# Altium PCB R32-Micro.PcbDoc (part 2 of 3) (continued)
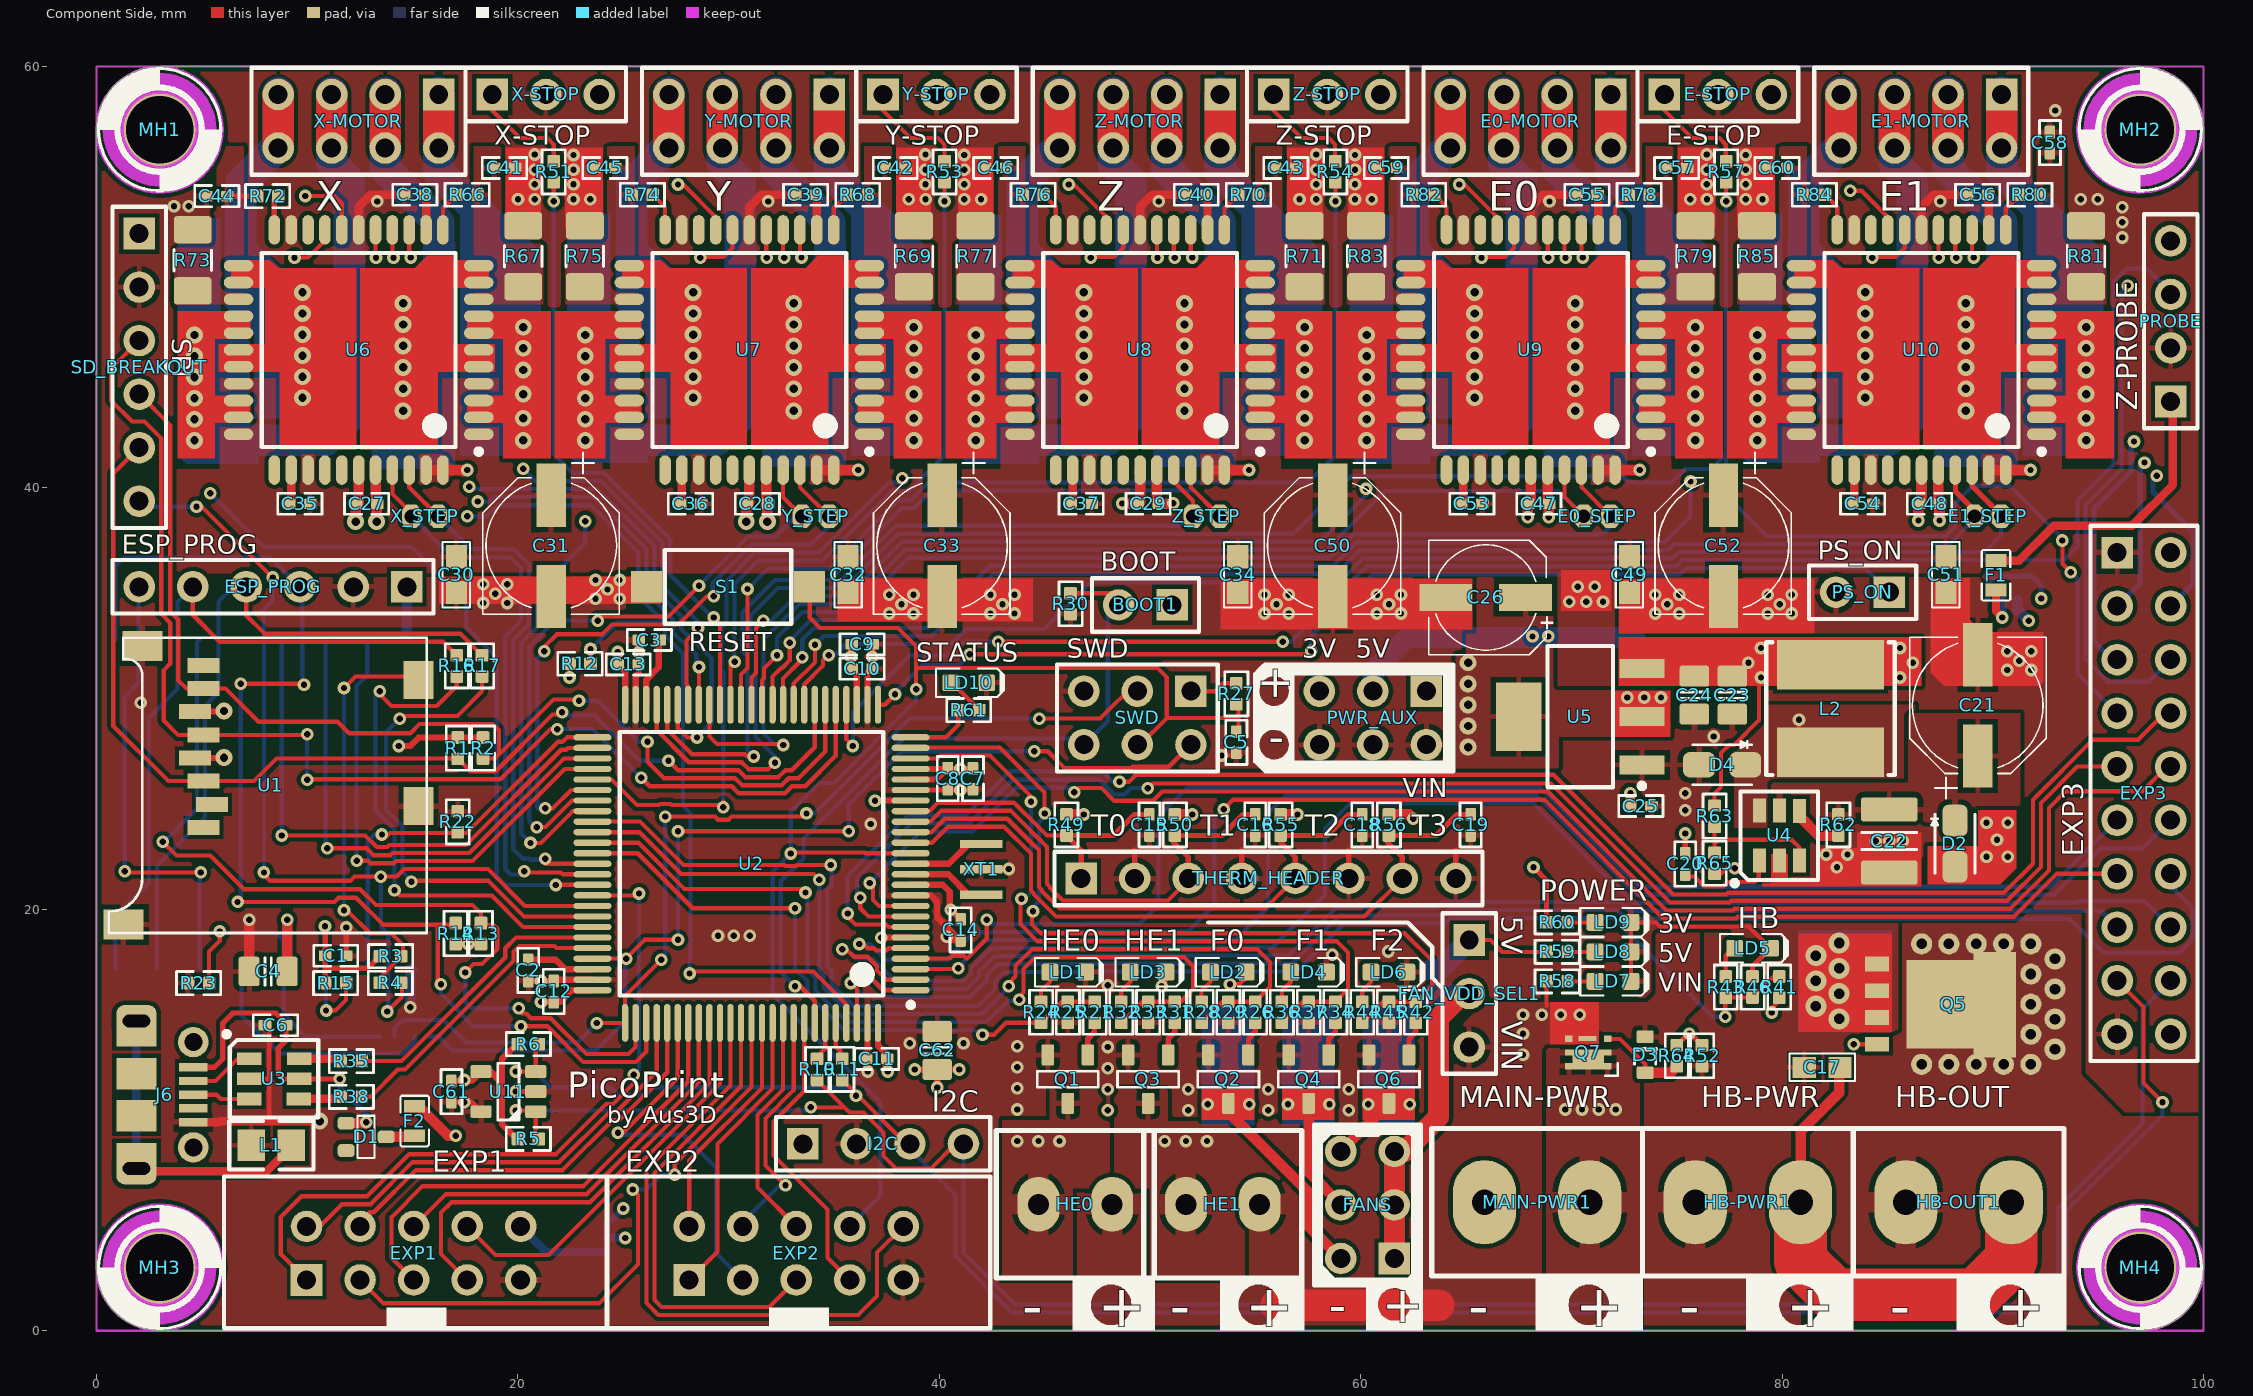
[diagram p0: Component Side view]
## Nets (pads, with @x,y where several pads share a name; then routed paths per layer and width w, separated by ;. In a path a pad name is that pad's centre, name@x,y a point inside that pad or via, vN(x,y) a via of type N, cw(c..) or ccw(c..) an arc to the next point about the centre after c; other vN are vias at no path point) (continued)
MPU_TFR_RDY: A1.19 J3.2 | length 11.9
  Solder Side w0.2: A1.19@7.05,17.355 A1.19@6.886,17.191 6.886,14.964 8.7,13.15 14.524,13.15 15.116,13.742 J3.2@15.116,13.95
NetA1_17: A1.17 R15.1 | length 4.5
  Component Side w0.2: v1(10.9,15.2) 11.35,15.2 11.85,15.7 R15.1@11.85,16.5 R15.1@11.85,16.685
  Solder Side w0.2: v1@10.899,15.201 A1.17@10.899,17.165 A1.17@10.899,17.599
NetC2_2: C2.2 U2.73 | length 3.2
  Component Side w0.3: C2.2@20.5,17.6 21.8,17.6 22.24,17.16 U2.73@23.54,17.16
NetC3_2: C3.2 U2.48 | length 3.4
  Component Side w0.3: U2.48@26.09,29.71 26.09,30.88 26.69,31.48 26.69,32.63 C3.2@26.84,32.78
NetC20_1: C20.1 D4.K L2.1 U4.6 | length 10.8
  Component Side w0.25: C20.1@75.4,22.5 C20.1@75.4,22.55 ; C20.1@75.4,22.65 v1(75.4,23.6) ; L2.1@80.8,26.9 v1(80.8,29)
  Power Plane w0.25: v1@75.4,23.5 80.8,28.9 v1(80.8,29)
NetC20_2: C20.2 U4.1 | length 4.5
  Component Side w0.2: C20.2@75.4,21.55 75.839,21.55 76.304,21.084 77.183,21.084 77.398,21.3 78.7,21.3 78.893,21.493 U4.1@78.893,22.098
  Component Side w0.25: U4.1@78.893,22.098 U4.1@78.925,22.066
NetC35_1: C35.1 U6.35 | length 1.5
  Component Side w0.4: C35.1@9.246,39.337 U6.35@9.246,40.845
NetC36_1: C36.1 U7.35 | length 1.5
  Component Side w0.4: C36.1@27.788,39.337 U7.35@27.788,40.845
NetC37_1: C37.1 U8.35 | length 1.5
  Component Side w0.4: C37.1@46.33,39.337 U8.35@46.33,40.845
NetC38_2: C38.2 U6.13 | length 1.6
  Component Side w0.4: U6.13@15.646,52.245 C38.2@15.646,53.878
NetC39_2: C39.2 U7.13 | length 1.6
  Component Side w0.4: U7.13@34.188,52.245 C39.2@34.188,53.878
NetC40_2: C40.2 U8.13 | length 1.6
  Component Side w0.4: U8.13@52.73,52.245 C40.2@52.73,53.878
NetC41_2: C41.2 R66.2 R67.2 U6.9
NetC42_2: C42.2 R68.2 R69.2 U7.9
NetC43_2: C43.2 R70.2 R71.2 U8.9
NetC44_2: C44.2 R72.2 R73.2 U6.25 | length 1.4
  Component Side w0.25: C44.2@6.215,53.848 R72.2@7.628,53.848
NetC45_2: C45.2 R74.2 R75.2 U7.25
NetC46_2: C46.2 R76.2 R77.2 U8.25
NetC53_1: C53.1 U9.35 | length 1.5
  Component Side w0.4: C53.1@64.872,39.337 U9.35@64.872,40.845
NetC54_1: C54.1 U10.35 | length 1.5
  Component Side w0.4: C54.1@83.414,39.337 U10.35@83.414,40.845
NetC55_2: C55.2 U9.13 | length 1.6
  Component Side w0.4: U9.13@71.272,52.245 C55.2@71.272,53.878
NetC56_2: C56.2 U10.13 | length 1.6
  Component Side w0.4: U10.13@89.814,52.245 C56.2@89.814,53.878
NetC57_2: C57.2 R78.2 R79.2 U9.9
NetC58_2: C58.2 R80.2 R81.2 U10.9
NetC59_2: C59.2 R82.2 R83.2 U9.25
NetC60_2: C60.2 R84.2 R85.2 U10.25
NetD1_3: D1.3 F2.2 | length 1.3
  Component Side w0.5: D1.3@13.75,9.2 F2.2@15,9.2
NetD3_A: D3.A Q7.3 R64.2 | length 4.2
  Component Side w0.2: Q7.3@71.725,13.85 72.3,13.85 73.5,12.65 D3.A@73.5,12.25
  Component Side w0.5: D3.A@73.6,12.25 74.7,12.25 R64.2@75,12.55
NetE-STOP_1: E-STOP.1 R57.2 | length 5.2
  Component Side w0.2: E-STOP.1@74.412,58.768 E-STOP.1@74.412,58.668 74.412,57.914 75.726,56.6 77.026,56.6 77.326,56.3 R57.2@77.326,55.5
NetF1_1: F1.1 J9.2 | length 2.2
  Component Side w0.4: F1.1@90.15,35.15 90.15,34.15 v1(90.45,33.85)
  Solder Side w0.4: v1(90.45,33.85) J9.2@90.45,34.65
NetFANS_2: FANS.2 Q2.3 | length 9.6
  Component Side w0.5: Q2.3@53.721,10.788 53.721,10.379 57.5,6.6 57.5,4.984 FANS.2@59.055,3.429
  other v1: 52.737,10.75 54.705,10.75
NetFANS_4: FANS.4 Q4.3 | length 5.4
  Component Side w0.5: Q4.3@57.531,10.788 57.531,7.531 FANS.4@59.055,6.007
  other v1: 56.547,10.75 58.515,10.75
NetFANS_6: FANS.6 Q6.3 | length 3.2
  Component Side w0.5: FANS.6@59.062,8.509 Q6.3@61.341,10.788
  other v1: 60.357,10.75 62.325,10.75
NetHB-OUT1_1: HB-OUT1.1 Q5.2
  other v3: 92.95,13.357 92.95,14.786 92.95,16.215 92.95,17.643
NetHE0_2: HE0.2 Q1.3
  other v1: 43.705,9 44.705,9 45.705,9
NetHE1_2: HE1.2 Q3.3
  other v1: 50.705,9 51.705,9 52.705,9
NetI2C_1: I2C.1 J1.2 | length 11.2
  Power Plane w0.4: v1(25.1,4.4) 27.4,6.7 31.05,6.7 33.221,8.871 I2C.1@33.528,8.871
  Solder Side w0.4: J1.2@24.2,4.418 25.082,4.418 v1(25.1,4.4)
NetJ6_SHIELD: J6.SHIELD L1.1 | length 15.8
  Component Side w0.2: J6.SHIELD@1.9,14.7 J6.SHIELD@2.7,14.7
  Component Side w0.4: J6.SHIELD@1.9,7.7 1.9,7.575 8.091,7.575 9.25,8.734 L1.1@9.25,8.8
  Solder Side w0.4: J6.SHIELD@1.9,7.7 J6.SHIELD@1.9,14.7
NetLD1_1: LD1.1 R24.1 | length 1.6
  Component Side w0.2: R24.1@44.831,15.613 44.831,16.131 45.251,16.551 LD1.1@45.251,17.018
NetLD2_1: LD2.1 R28.1 | length 1.6
  Component Side w0.2: R28.1@52.451,15.613 52.451,16.131 52.871,16.551 LD2.1@52.871,17.018
NetLD3_1: LD3.1 R32.1 | length 1.6
  Component Side w0.2: R32.1@48.641,15.613 48.641,16.131 49.061,16.551 LD3.1@49.061,17.018
NetLD4_1: LD4.1 R36.1 | length 1.6
  Component Side w0.2: R36.1@56.261,15.613 56.261,16.131 56.681,16.551 LD4.1@56.681,17.018
NetLD5_1: LD5.1 R43.1 | length 1.6
  Component Side w0.2: R43.1@77.325,16.81 77.325,17.795 LD5.1@77.745,18.215
NetLD6_1: LD6.1 R44.1 | length 1.6
  Component Side w0.2: R44.1@60.071,15.613 60.071,16.131 60.491,16.551 LD6.1@60.491,17.018
NetLD7_1: LD7.1 R58.1 | length 1.3
  Component Side w0.2: R58.1@69.821,16.58 LD7.1@71.121,16.58
NetLD8_1: LD8.1 R59.1 | length 1.3
  Component Side w0.2: R59.1@69.821,17.98 LD8.1@71.121,17.98
NetLD9_1: LD9.1 R60.1 | length 1.3
  Component Side w0.2: R60.1@69.821,19.38 LD9.1@71.121,19.38
NetLD10_1: LD10.1 R61.1 | length 1.9
  Component Side w0.2: LD10.1@40.55,30.75 40.6,30.75 R61.1@41.9,29.45
NetMAIN-PWR1_2: MAIN-PWR1.2 Q7.1
  other v1: 69.7,10.5 70.5,10.5 71.3,10.5 72.1,10.5
NetQ1_1: Q1.1 R21.2 | length 1.7
  Component Side w0.25: Q1.1@47.051,13.088 47.051,13.851 47.371,14.171 R21.2@47.371,14.613
NetQ2_1: Q2.1 R26.2 | length 1.7
  Component Side w0.25: Q2.1@54.671,13.088 54.671,13.851 54.991,14.171 R26.2@54.991,14.613
NetQ3_1: Q3.1 R31.2 | length 1.7
  Component Side w0.25: Q3.1@50.861,13.088 50.861,13.851 51.181,14.171 R31.2@51.181,14.613
NetQ4_1: Q4.1 R34.2 | length 1.7
  Component Side w0.25: Q4.1@58.481,13.088 58.481,13.851 58.801,14.171 R34.2@58.801,14.613
NetQ5_1: Q5.1 R41.2 | length 6.5
  Component Side w0.2: v1(79.5,15.1) 79.5,15.3 79.865,15.665 R41.2@79.865,15.81 ; v1(83.4,13.6) 83.405,13.595 Q5.1@84.5,13.595
  Power Plane w0.2: v1(79.5,15.1) 81,13.6 v1(83.4,13.6)
NetQ6_1: Q6.1 R42.2 | length 1.7
  Component Side w0.25: Q6.1@62.291,13.088 62.291,13.851 62.611,14.171 R42.2@62.611,14.613
NetR3_1: R3.1 R4.2 U1.CD1 | length 20.1
  Component Side w0.2: v1(11.75,19.95) 11.899,19.95 12.999,18.85 14,18.85 14.55,18.3 14.55,17.85 13.454,16.754 R4.2@13.454,16.51 ; v1(11.75,30.5) 12.3,31.05 15.116,31.05 U1.CD1@15.28,30.886
  Solder Side w0.2: v1(11.75,19.95) v1(11.75,30.5)
NetR10_1: R10.1 U2.95 | length 1.9
  Component Side w0.2: R10.1@34.1,12.9 34.59,13.39 U2.95@34.59,14.61
NetR11_1: R11.1 U2.96 | length 1.8
  Component Side w0.2: U2.96@35.09,14.61 35.09,13.5 35.3,13.29 R11.1@35.3,12.9
NetR35_1: R35.1 U3.6 | length 2
  Component Side w0.4: U3.6@9.625,12.9 R35.1@11.6,12.9
NetR38_1: R38.1 U3.4 | length 2
  Component Side w0.4: U3.4@9.6,11 R38.1@11.6,11
NetR51_2: R51.2 X-STOP.1 | length 5.2
  Component Side w0.2: X-STOP.1@18.786,58.768 18.786,57.914 20.1,56.6 21.4,56.6 21.7,56.3 R51.2@21.7,55.5
NetR53_2: R53.2 Y-STOP.1 | length 5.2
  Component Side w0.2: Y-STOP.1@37.328,58.768 37.328,57.914 38.642,56.6 39.942,56.6 40.242,56.3 R53.2@40.242,55.5
NetR54_2: R54.2 Z-STOP.1 | length 5.2
  Component Side w0.2: Z-STOP.1@55.87,58.768 55.87,57.914 57.184,56.6 58.484,56.6 58.784,56.3 R54.2@58.784,55.5
NetR62_2: R62.2 U4.4 | length 2.1
  Component Side w0.5: U4.4@80.825,24.416 81.746,23.495 R62.2@82.542,23.495
NetR63_1: R63.1 R65.2 U4.3 | length 6.3
  Component Side w0.2: R65.2@76.793,22.534 R65.2@76.793,22.684 76.793,22.993 ; R63.1@76.793,23.82 76.793,23.114 ; U4.3@80.825,22.066 U4.3@80.825,22.316 80.825,22.926 80.451,23.3 77,23.3 76.814,23.114 ; 76.793,23.114 76.814,23.114 ; 76.793,23.114 76.793,23.093 76.814,23.114
NetR66_1: R66.1 U6.12 | length 1.9
  Component Side w0.2: U6.12@16.446,52.245 16.446,53.268 R66.1@17.09,53.911
NetR68_1: R68.1 U7.12 | length 1.9
  Component Side w0.2: U7.12@34.988,52.245 34.988,53.268 R68.1@35.631,53.911
NetR70_1: R70.1 U8.12 | length 1.9
  Component Side w0.2: U8.12@53.53,52.245 53.53,53.268 R70.1@54.174,53.911
NetR72_1: R72.1 U6.22 | length 1.7
  Component Side w0.25: U6.22@8.446,52.245 8.446,53.666 R72.1@8.628,53.848
NetR74_1: R74.1 U7.22 | length 1.9
  Component Side w0.2: R74.1@26.408,53.911 26.988,53.331 U7.22@26.988,52.245
NetR76_1: R76.1 U8.22 | length 1.9
  Component Side w0.2: R76.1@44.95,53.911 45.53,53.331 U8.22@45.53,52.245
NetR78_1: R78.1 U9.12 | length 1.9
  Component Side w0.2: U9.12@72.072,52.245 72.072,53.268 R78.1@72.715,53.911
NetR80_1: R80.1 U10.12 | length 1.9
  Component Side w0.2: U10.12@90.614,52.245 90.614,53.268 R80.1@91.258,53.911
NetR82_1: R82.1 U9.22 | length 1.9
  Component Side w0.2: R82.1@63.492,53.911 64.072,53.331 U9.22@64.072,52.245
NetR84_1: R84.1 U10.22 | length 1.9
  Component Side w0.2: R84.1@82.034,53.911 82.614,53.331 U10.22@82.614,52.245
NetU2_12: U2.12 XT1.3 | length 3.4
  Component Side w0.3: U2.12@38.64,21.66 40.42,21.66 41.38,20.7 XT1.3@41.6,20.7
NetU2_13: U2.13 XT1.1 | length 3.3
  Component Side w0.3: U2.13@38.64,22.16 40.45,22.16 41.39,23.1 XT1.1@41.6,23.1
NRST: C5.2 EXP2.8 R27.1 S1.1 SWD.4 U2.14 | length 67.1
  Component Side w0.2: v1(32.95,22.65) 33,22.7 36.449,22.7 36.489,22.66 U2.14@38.64,22.66 ; S1.1@33.822,35.398 33.85,35.37 33.85,33.85 33.9,33.8 34.2,33.5 34.35,33.35 38.05,33.35 38.9,32.5 38.9,31.35 ; v1(38.9,30.45) 38.9,31.35 ; SWD.4@49.403,27.813 49.538,27.813 50.8,29.075 ; C5.2@54.2,28.425 54.2,29.075 ; R27.1@54.2,29.725 54.2,29.075 ; 38.9,31.35 39,31.45 50.35,31.45 50.8,31 50.8,29.075 ; 50.8,29.075 54.2,29.075
  Solder Side w0.2: EXP2.8@35.754,4.95 37.2,6.396 37.2,10.851 32.1,15.951 32.1,21.8 v1(32.95,22.65) 32.95,24.649 34.301,26 34.999,26 38.9,29.901 v1(38.9,30.45)
PS_ON: PS_ON.1 U2.26 | length 51.6
  Component Side w0.2: U2.26@37.09,29.71 37.41,29.71 v1(37.9,30.2) ; v1(41.45,32.1) 42.8,32.1 57.5,32.1 v1(57.658,32.258)
  Solder Side w0.2: v1(37.9,30.2) 37.9,30.299 39.201,31.6 40.95,31.6 v1(41.45,32.1) ; v1(57.658,32.258) 57.658,32.983 60.575,35.9 75.15,35.9 75.45,36.2 83.942,36.2 PS_ON.1@85.09,35.052
SCL_1: EXP3.18 I2C.4 R5.1 R10.2 U11.1 | length 103.3
  Component Side w0.2: v1(19.9,10.45) 20.6,10.45 20.75,10.3 U11.1@20.85,10.4 20.85,9.2 R5.1@21,9.05 ; v1(33.9,10.6) 35.5,10.6 ; R10.2@34.2,11.9 35.5,10.6 ; I2C.4@41.221,8.871 I2C.4@41.148,8.871 40.771,8.871 39.6,7.7 37.95,7.7 37.35,8.3 37.35,9.413 36.413,10.35 35.75,10.35 35.5,10.6
  Solder Side w0.2: v1(19.9,10.45) 19.7,10.45 33.75,10.45 v1(33.9,10.6) ; I2C.4@41.148,8.871 41.148,3.702 43.6,1.25 91.6,1.25 93.1,2.75 93.1,5.832 97.1,9.832 97.1,15.27 EXP3.18@98.44,16.61
SD_CSEL: EXP2.4 U2.92 | length 11.6
  Component Side w0.2: v1(32.7,6.9) 31.75,7.85 31.75,10.076 33.09,11.416 U2.92@33.09,14.61
  Solder Side w0.2: EXP2.4@30.674,4.95 30.674,5.164 32.41,6.9 v1(32.7,6.9)
SD_DET: EXP2.7 U2.93 | length 14.3
  Component Side w0.2: U2.93@33.59,14.61 33.59,11.378 32.13,9.918 32.13,8.32 34.7,5.75 34.7,3.464 EXP2.7@35.754,2.41
SDA_1: EXP3.17 I2C.3 R6.1 R11.2 U11.3 | length 101.3
  Component Side w0.2: v1(19.9,12.3) U11.3@20.85,12.3 20.85,13.5 R6.1@21,13.65 ; R11.2@35.4,11.9 38.429,8.871 I2C.3@38.608,8.871 ; EXP3.17@95.9,16.61 97.15,15.36 97.15,11.75 v1(98.05,10.85)
  Solder Side w0.2: v1(19.9,12.3) 20.8,12.3 21.55,11.55 24.4,11.55 24.75,11.2 26.1,11.2 26.45,11.55 35.65,11.55 v1(36.05,11.15) ; I2C.3@38.608,8.871 38.608,8.61 40.768,6.45 40.768,3.545 43.443,0.87 91.757,0.87 93.48,2.593 93.48,5.675 98.05,10.245 v1(98.05,10.85)
SPI1_MISO: R2.1 SD_BREAKOUT.4 U1.7 U2.31 | length 54.6
  Component Side w0.2: SD_BREAKOUT.4@2.032,44.45 3.5,42.982 3.5,34.137 3.88,33.757 3.88,30.87 4.27,30.48 U1.7@5.08,30.48 6.12,30.48 7.7,28.9 11.45,28.9 12,28.35 14.892,28.35 15.342,28.8 18.8,28.8 19.1,28.5 19.1,27.35 ; R2.1@18.35,27.15 18.9,27.15 19.1,27.35 ; v1@22.9,29.95 21.7,29.95 19.1,27.35 ; v1(26.15,27.95) 26.15,27 26.93,26.22 30.307,26.22 30.637,25.89 32.526,25.89 32.856,26.22 33.32,26.22 34.59,27.49 U2.31@34.59,29.71
  Solder Side w0.2: v1(22.9,29.9) 23.787,29.9 25.737,27.95 v1(26.15,27.95)
SPI1_MOSI: R1.1 SD_BREAKOUT.5 U1.3 U2.32 | length 53.8
  Component Side w0.2: SD_BREAKOUT.5@2.032,41.91 0.8,40.678 0.8,28.7 3.414,26.086 U1.3@5.08,26.086 7.486,26.086 8.55,27.15 R1.1@17.15,27.15 17.75,26.55 18.95,26.55 21.65,29.25 v1@22.1,29.25 ; v1(27.15,27.05) 27.6,26.6 30.464,26.6 30.794,26.27 32.369,26.27 32.699,26.6 33,26.6 34.09,27.69 U2.32@34.09,29.71
  Solder Side w0.2: v1(22.1,29.35) 22.25,29.2 23.65,29.2 25.8,27.05 v1(27.15,27.05)
SPI1_SCK: SD_BREAKOUT.3 U1.5 U2.30 | length 60
  Component Side w0.2: SD_BREAKOUT.3@2.032,46.99 0.7,45.658 0.7,44.15 1.7,43.15 2.277,43.15 3.082,42.345 3.082,34.018 3.5,33.6 3.5,31.65 3.2,31.35 3.2,28.95 3.88,28.27 U1.5@5.08,28.27 9.97,28.27 v1(10,28.3) ; v1(10,26.15) 10.02,26.17 19.17,26.17 21.55,28.55 v1(21.875,28.55) ; v1(25.85,26.25) 26.26,25.84 30.149,25.84 30.479,25.51 32.683,25.51 33.013,25.84 33.64,25.84 35.09,27.29 U2.30@35.09,29.71
  Solder Side w0.2: v1(10,26.15) v1(10,28.3) ; v1(21.875,28.55) 23.55,28.55 v1(25.85,26.25)
SPI2_MISO: A1.6 U2.53 | length 24.5
  Component Side w0.2: v1(10.95,22.9) 12.814,22.9 13.144,22.57 13.956,22.57 14.056,22.67 17.697,22.67 22.187,27.16 U2.53@23.54,27.16
  Solder Side w0.2: A1.6@10.874,32.786 10.874,22.976 v1(10.95,22.9)
SPI2_MOSI: A1.7 U2.54 | length 23.8
  Component Side w0.2: v1(12.35,22.3) 12.877,22.3 12.987,22.19 14.113,22.19 14.213,22.29 17.854,22.29 22.224,26.66 U2.54@23.54,26.66
  Solder Side w0.2: v1(12.35,22.3) 12.35,30.6 12.855,31.105 A1.7@12.855,32.786
SPI2_SCK: A1.5 U2.52 | length 26.2
  Component Side w0.2: v1(8.8,23.5) 12.751,23.5 13.301,22.95 13.798,22.95 13.899,23.05 17.539,23.05 22.059,27.57 22.281,27.57 22.371,27.66 U2.52@23.54,27.66
  Solder Side w0.2: v1(8.8,23.5) 8.8,32.679 8.9,32.779 A1.5@8.893,32.786
SPI3_MISO: EXP2.1 U2.90 | length 13.8
  Component Side w0.2: EXP2.1@28.134,2.41 29.47,3.746 29.47,8.87 32.09,11.49 U2.90@32.09,14.61
SPI3_MOSI: EXP2.6 U2.91 | length 10.9
  Component Side w0.2: U2.91@32.59,14.61 32.59,11.453 31.37,10.233 31.37,6.8 33.214,4.956 EXP2.6@33.214,4.95
SPI3_SCK: EXP2.2 U2.89 | length 11.1
  Component Side w0.2: EXP2.2@28.134,4.95 28.134,8.072 31.59,11.528 U2.89@31.59,14.61
SPI4_MISO: EXP3.4 U2.44 U6.14 U7.14 U8.14 U9.14 U10.14 | length 142.1
  Component Side w0.2: U6.14@14.846,52.245 14.846,51.003 v1(14.918,50.931) ; U2.44@28.09,29.71 28.04,29.76 28.04,30.646 28,30.686 28,32.749 28.601,33.35 v1(28.55,33.35) ; U7.14@33.388,52.245 33.388,51.003 v1(33.46,50.931) ; U8.14@51.93,52.245 51.93,51.003 v1(52.002,50.931) ; U9.14@70.472,52.245 70.472,51.003 v1(70.544,50.931) ; U10.14@89.014,52.245 89.014,51.003 v1(89.086,50.931)
  Power Plane w0.25: v1(20.25,40.9) 19.565,41.585 19.173,41.585 18.853,41.905 17.295,41.905 16.5,42.7 16.5,49.349 v1(14.918,50.931) 14.918,51.368 15.102,51.552 29.662,51.552 31.364,49.85 32.6,49.85 33.46,50.71 v1(33.46,50.931) 33.46,51.368 33.644,51.552 48.204,51.552 49.906,49.85 51.142,49.85 v1@52.002,50.71 ; v1(52.002,50.931) 52.002,51.368 52.186,51.552 66.746,51.552 68.448,49.85 69.684,49.85 v1@70.544,50.71 ; v1(70.544,50.931) 70.544,51.368 70.728,51.552 85.288,51.552 86.99,49.85 88.226,49.85 v1@89.086,50.71 ; v1(89.086,50.931) 89.655,51.5 91.977,51.5 95.651,47.826 95.651,41.749 96.825,40.575 v1(97.775,40.575)
  Solder Side w0.2: v1(20.25,40.9) 20.83,40.32 23.942,40.32 26.852,37.41 26.852,35.348 28.55,33.65 v1(28.55,33.35)
  Solder Side w0.25: v1(97.775,40.575) 97.6,40.4 97.6,39.8 99.515,37.885 99.515,35.465 EXP3.4@98.44,34.39
SPI4_MOSI: EXP3.5 U2.45 U6.15 U7.15 U8.15 U9.15 U10.15 | length 151.2
  Component Side w0.2: U6.15@14.046,52.245 14.046,50.939 14.058,50.927 v1(14.097,50.927) ; U2.45@27.59,29.71 27.59,28.61 28.05,28.15 v1(28.5,28.15) ; U7.15@32.588,52.245 32.588,50.939 32.6,50.927 v1(32.639,50.927) ; U8.15@51.13,52.245 51.13,50.939 51.142,50.927 v1(51.181,50.927) ; U9.15@69.672,52.245 69.672,50.939 69.684,50.927 v1(69.723,50.927) ; U10.15@88.214,52.245 88.214,50.939 88.226,50.927 v1(88.265,50.927)
  Power Plane w0.25: v1@17.65,40.1 v1@17.7,40.1 ; v1(17.7,40.05) 17.381,40.05 16.03,41.401 16.03,48.936 14.097,50.869 v1(14.097,50.927) 14.097,51.597 14.502,52.002 29.848,52.002 31.55,50.3 32.25,50.3 32.639,50.689 v1(32.639,50.927) 32.639,51.597 33.044,52.002 48.39,52.002 50.092,50.3 50.792,50.3 v1@51.181,50.689 ; v1(51.181,50.927) 51.181,51.597 51.586,52.002 66.932,52.002 68.634,50.3 69.334,50.3 v1@69.723,50.689 ; v1(69.723,50.927) 69.723,51.597 70.128,52.002 85.474,52.002 87.176,50.3 87.876,50.3 v1@88.265,50.689 ; v1(88.265,50.927) 88.265,50.994 89.273,52.002 92.083,52.002 96.09,47.995 96.09,42.61 96.5,42.2 v1(96.7,42.2)
  Solder Side w0.2: v1@17.65,40.1 v1@17.7,40.1 ; v1(17.7,40.05) 17.8,39.95 20.663,39.95 20.673,39.94 23.785,39.94 26.472,37.253 26.472,35.19 27.75,33.913 27.75,33.301 28.301,32.75 28.35,32.75 29.2,31.9 29.2,28.85 v1(28.5,28.15)
  Solder Side w0.25: EXP3.5@95.9,31.85 95.65,31.85 94.8,32.7 94.8,39.027 96.57,40.797 96.57,42.07 v1(96.7,42.2)
SPI4_SCK: EXP3.3 U2.43 U6.16 U7.16 U8.16 U9.16 U10.16 | length 145.6
  Component Side w0.2: U6.16@13.246,52.245 13.246,50.953 v1(13.271,50.927) ; U2.43@28.59,29.71 28.6,29.72 v1(28.6,31.5) ; U7.16@31.788,52.245 31.788,50.953 v1(31.814,50.927) ; U8.16@50.33,52.245 50.33,50.953 v1(50.356,50.927) ; U9.16@68.872,52.245 68.872,50.953 v1(68.898,50.927) ; U10.16@87.414,52.245 87.414,50.953 v1(87.44,50.927)
  Power Plane w0.25: v1@18.05,39.35 17.473,39.35 15.6,41.223 15.6,48.729 15.279,49.05 15.279,49.052 14.855,49.477 14.852,49.477 14.429,49.9 14.24,49.9 13.271,50.869 v1(13.271,50.927) 13.271,51.621 14.102,52.452 68.898,52.452 ; v1(31.814,50.927) 31.814,52.45 ; v1(50.356,50.927) 50.356,52.45 ; v1(68.898,50.927) 68.898,52.452 ; v1(87.44,50.927) 87.44,51.536 86.524,52.452 ; v1(97.2,41.2) 97.325,41.325 97.325,42.475 96.52,43.28 96.52,48.18 92.248,52.452 86.524,52.452 ; 68.898,52.452 86.524,52.452
  Solder Side w0.2: v1@18,39.25 v1@18,39.35 ; v1@18.05,39.35 v1(18.1,39.35) 18.63,39.35 18.84,39.56 23.627,39.56 26.092,37.095 26.092,35.033 27.37,33.755 27.37,33.144 28.144,32.37 28.193,32.37 28.47,32.093 28.47,31.63 v1(28.6,31.5)
  Solder Side w0.25: EXP3.3@95.9,34.39 97,35.49 97,41 v1(97.2,41.2)
STAT_LED: R61.2 U2.25 | length 3.2
  Component Side w0.2: U2.25@38.64,28.16 40.31,28.16 40.9,28.75 R61.2@40.9,29.45
STEP_EN: EXP3.6 R12.1 U2.97 U6.19 U7.19 U8.19 U9.19 U10.19 | length 193.8
  Component Side w0.2: v1(9.398,50.927) 10.033,50.927 10.846,51.74 U6.19@10.846,52.245 ; R12.1@23.45,31.65 v1(23.45,32.35) ; v1(27.6,54.4) 27.85,54.4 29.388,52.862 U7.19@29.388,51.74 ; v1(28.15,16.95) 28.25,17.05 34.036,17.05 35.6,15.486 35.6,14.62 U2.97@35.59,14.61 ; v1(46.142,54.4) 46.392,54.4 47.93,52.862 U8.19@47.93,52.245 ; v1(64.684,54.4) 64.934,54.4 U9.19@66.472,52.862 ; U9.19@66.472,51.74 U9.19@66.472,52.245 ; v1(83.226,54.102) 83.774,54.102 U10.19@85.014,52.862 ; U10.19@85.014,51.74 U10.19@85.014,52.245
  Power Plane w0.2: v1(9.398,50.927) 11.45,48.875 11.45,44.8 v1(17.6,38.65)
  Power Plane w0.25: v1(9.398,50.927) 11.353,52.882 27,52.882 ; v1(27.6,54.4) 27.6,53.482 27,52.882 ; v1(46.142,54.4) 46.142,53.482 45.542,52.882 ; v1(64.684,54.4) 64.684,53.482 64.084,52.882 ; v1(83.226,54.102) 83.226,53.508 82.6,52.882 ; v1(96.4,49.6) 95.708,49.6 92.426,52.882 82.6,52.882 ; 27,52.882 45.542,52.882 ; 45.542,52.882 64.084,52.882 ; 64.084,52.882 82.6,52.882
  Solder Side w0.2: v1(17.6,38.65) 18.52,38.65 19.05,39.18 23.47,39.18 25.712,36.938 25.712,34.876 26.99,33.598 ; v1(23.45,32.35) 24.698,33.598 26.99,33.598 ; v1(28.15,16.95) 28.15,17.65 28.2,17.7 28.2,24.55 27.841,24.909 27.841,32.135 26.99,32.987 26.99,33.598 ; v1(96.4,49.6) 96.1,49.3 96.1,40.9 94.395,39.195 94.395,31.87 95.465,30.8 97.39,30.8 EXP3.6@98.44,31.85
SWCLK: J4.1 SWD.3 U2.76 | length 49.2
  Component Side w0.2: v1(23.75,14.6) 23.76,14.61 U2.76@25.09,14.61 25.09,15.89 v1(26.8,17.6) ; v1(27,24.4) 29.351,24.4 29.501,24.25 29.999,24.25 30.149,24.4 33.55,24.4 v1(33.7,24.55) ; v1(44.75,29.05) 47.636,29.05 49.403,30.817 SWD.3@49.403,30.353
  Solder Side w0.2: J4.1@14.15,13.95 14.15,14.35 14.55,14.75 16.48,14.75 17.55,13.68 22.83,13.68 v1(23.75,14.6) ; v1(26.8,17.6) 27,17.8 v1(27,24.4) ; v1(33.7,24.55) 34.086,24.55 38.586,29.05 v1(44.75,29.05) ; SWD.3@49.403,29.703 SWD.3@49.403,30.353
SWDIO: J3.1 SWD.2 U2.72 | length 50.3
  Component Side w0.2: U2.72@23.54,17.66 v1@25.15,17.66 ; v1(25.15,17.65) v1@25.15,17.66 ; v1(27.6,18.55) 26.017,18.55 25.15,17.683 v1@25.15,17.66 ; v1(27.6,23.7) v1(35.7,23.7) ; v1(44.5,27.5) 45.15,27.5 45.95,26.7 49.113,26.7 49.176,26.763 50.893,26.763 SWD.2@51.943,27.813
  Solder Side w0.2: J3.1@15.816,13.95 16.25,13.95 16.9,13.3 23.7,13.3 25.1,14.7 v1@25.1,17.85 ; v1(27.6,18.55) v1(27.6,23.7) ; v1(35.7,23.7) 35.7,24.974 38.226,27.5 v1(44.5,27.5)
THERM0: C15.2 R49.1 THERM_HEADER.1 U2.18 | length 14.9
  Component Side w0.2: U2.18@38.64,24.66 39.548,24.66 39.948,25.06 43.552,25.06 43.75,24.862 43.75,24.851 44.101,24.5 44.112,24.5 45.109,23.503 R49.1@46.038,23.503
  Component Side w0.25: THERM_HEADER.1@46.736,21.463 46.736,22.804 R49.1@46.038,23.503 48.268,23.503 49.268,24.503 C15.2@49.975,24.503
THERM1: C16.2 R50.1 THERM_HEADER.3 U2.17 | length 23.6
  Component Side w0.2: U2.17@38.64,24.16 39.585,24.16 40.105,24.68 43.384,24.68 43.944,24.12 43.955,24.12 44.02,24.055 44.02,24.044 44.644,23.42 44.655,23.42 45.11,22.965 45.11,21.213 45.26,21.063 45.26,21.015 45.862,20.413 50.853,20.413 51.816,21.376 THERM_HEADER.3@51.816,21.463
  Component Side w0.25: R50.1@51.118,23.503 51.118,23.177 51.816,22.479 THERM_HEADER.3@51.816,21.463 ; R50.1@51.181,23.503 53.411,23.503 54.411,24.503 C16.2@54.991,24.503
  Solder Side w0.2: THERM_HEADER.3@51.45,21.463 THERM_HEADER.3@51.816,21.463
THERM2: C18.2 R55.1 THERM_HEADER.5 U2.16 | length 28.6
  Component Side w0.2: U2.16@38.64,23.66 39.623,23.66 40.263,24.3 43.227,24.3 44.487,23.04 44.497,23.04 44.73,22.807 44.73,21.056 44.88,20.906 44.88,20.857 45.704,20.033 55.466,20.033 THERM_HEADER.5@56.896,21.463
  Component Side w0.25: THERM_HEADER.5@56.896,21.463 56.896,22.479 56.198,23.177 R55.1@56.197,23.503 58.428,23.503 59.428,24.503 C18.2@60.071,24.503
THERM3: C19.2 R56.1 THERM_HEADER.7 U2.15 | length 33.8
  Component Side w0.2: U2.15@38.64,23.16 39.66,23.16 40.42,23.92 43.069,23.92 44.35,22.639 44.35,20.899 44.5,20.749 44.5,20.7 45.547,19.653 60.166,19.653 THERM_HEADER.7@61.976,21.463
  Component Side w0.25: R56.1@61.278,23.503 61.278,23.177 61.976,22.479 THERM_HEADER.7@61.976,21.463 ; R56.1@61.341,23.503 63.571,23.503 64.571,24.503 C19.2@65.215,24.503
USB_D_N: R35.2 U2.70 | length 13.6
  Component Side w0.2: R35.2@12.6,12.8 14.484,12.8 19.4,17.716 19.4,18.15 19.91,18.66 U2.70@23.54,18.66
USB_D_P: R38.2 U2.71 | length 14.2
  Component Side w0.2: R38.2@12.6,11.1 13,11.1 14.3,12.4 14.65,12.4 19.8,17.55 19.8,17.984 20.076,18.26 21.74,18.26 21.84,18.16 U2.71@23.54,18.16
USB_N: J6.D- U3.1 | length 3.2
  Component Side w0.2: J6.D-@4.7,11.95 J6.D-@4.6,11.85 5.65,11.85 6.7,12.9 U3.1@7.25,12.9
USB_P: J6.D+ U3.3 | length 2.7
  Component Side w0.2: J6.D+@4.6,11.2 5.7,11.2 5.9,11 U3.3@7.25,11
USD_CD: R4.1 SD_BREAKOUT.6 U2.67 | length 47.1
  Component Side w0.2: v1(4.75,39.1) 5.009,39.1 v1(8.362,35.747) ; v1(7.95,21.75) 7.95,21.65 8.25,21.35 12.05,21.35 12.25,21.55 v1(13.5,21.55) 14.251,21.55 14.611,21.91 18.577,21.91 20.327,20.16 U2.67@23.54,20.16 ; v1(13.8,15.15) 14.5,15.85 R4.1@14.5,16.51
  Solder Side w0.2: SD_BREAKOUT.6@2.032,39.37 2.302,39.1 v1(4.75,39.1) ; v1(7.95,21.75) 7.95,34.05 7.85,34.15 8.362,34.662 v1(8.362,35.747) ; v1(13.5,21.55) 13.5,19.15 13.85,18.8 13.85,15.2 v1(13.8,15.15)
VBUS: C6.2 D1.1 J6.VBUS U3.5 | length 15.7
  Component Side w0.25: J6.VBUS@4.6,12.5 5.593,12.5 6,12.907 6,14.6 6.475,15.075 8.511,15.075 C6.2@9,14.586 ; C6.2@9,14.5 9,13.775 8.625,13.4 8.625,12.175 8.85,11.95 U3.5@9.625,11.95 v1(11.55,11.95)
  Component Side w0.5: D1.1@11.85,9.85 12.75,9.85 v1(12.8,9.9)
  Solder Side w0.25: v1(11.55,11.95) 11.55,11.55 12.8,10.3 v1(12.8,9.9)
VIN: C21.1 C22.2 D2.K R62.1 U4.5
VIN1: C30.2 C31.1 C32.2 C33.1 C34.2 C35.2 C36.2 C37.2 C49.2 C50.1 C51.2 C52.1 C53.2 C54.2 D2.A D3.K EXP3.20 FAN_VDD_SEL1.3 HE0.1 HE1.1 J2.3 PWR_AUX.1 Q7.4 R58.2 U6.1 U6.4 U6.30 U6.33 U6.36 U7.1 U7.4 U7.30 U7.33 U7.36 U8.1 U8.4 U8.30 U8.33 U8.36 U9.1 U9.4 U9.30 U9.33 U9.36 U10.1 U10.4 U10.30 U10.33 U10.36 | length 75.4
  Component Side w0.2: 68.821,15.421 R58.2@68.821,16.58
  Component Side w1.5: 56,1.2 63.7,1.2
  Power Plane w0.5: PWR_AUX.1@63.119,30.353 63.119,31.769 66.25,34.9 69.55,34.9 ; 88.5,20.7 92.8,20.7 94.35,19.15 94.35,13.2 95.15,12.4 97.75,12.4 98.44,13.09 EXP3.20@98.44,14.07
  Power Plane w1.5: 70.9,20.7 88.5,20.7 90.2,22.4
  Power Plane w2: 70.9,15.1 70.9,20.7 v1@70.9,34.4
  other v1: 67.7,13.1 67.7,14.1 67.7,15 68.6,15 69.5,15 70.4,15 89.7,22.5 90.7,22.5 90.2,23.3 89.7,24.1 90.7,24.1 69.9,34.6 70.7,34.6 71.5,34.6 70.3,35.3 71.1,35.3
VIN2: C17.2 HB-OUT1.2 HB-PWR1.2 | length 41.1
  Component Side w0.5: HB-PWR1.2@80.873,6.1 80.873,9.473 82.7,11.3 C17.2@82.7,12.25 ; C17.2@82.45,12.5 C17.2@82.7,12.25 ; C17.2@82.7,12.35 C17.2@82.7,12.25
  Component Side w2.5: HB-PWR1.2@80.873,6.1 80.873,3.327 82.5,1.7 89.2,1.7 90.873,3.373 HB-OUT1.2@90.873,6.1
  Power Plane w2.5: HB-PWR1.2@80.873,6.1 80.873,3.327 82.5,1.7 89.2,1.7 90.873,3.373 HB-OUT1.2@90.873,6.1